# KiCad board TKL.kicad_pcb
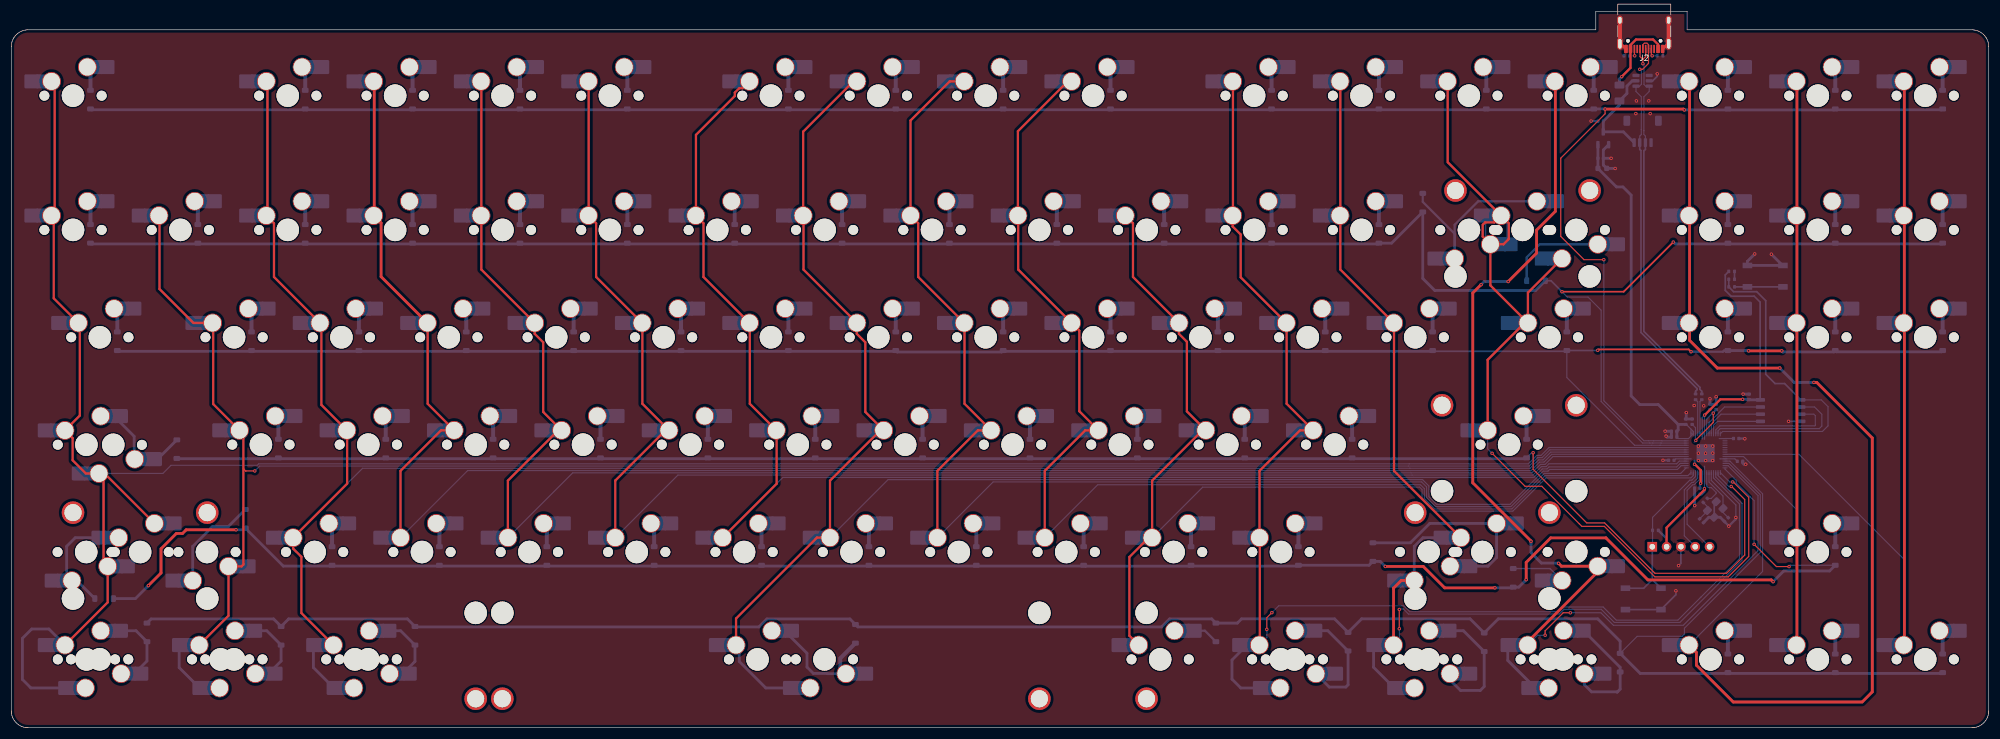
[diagram p0: board, top side]
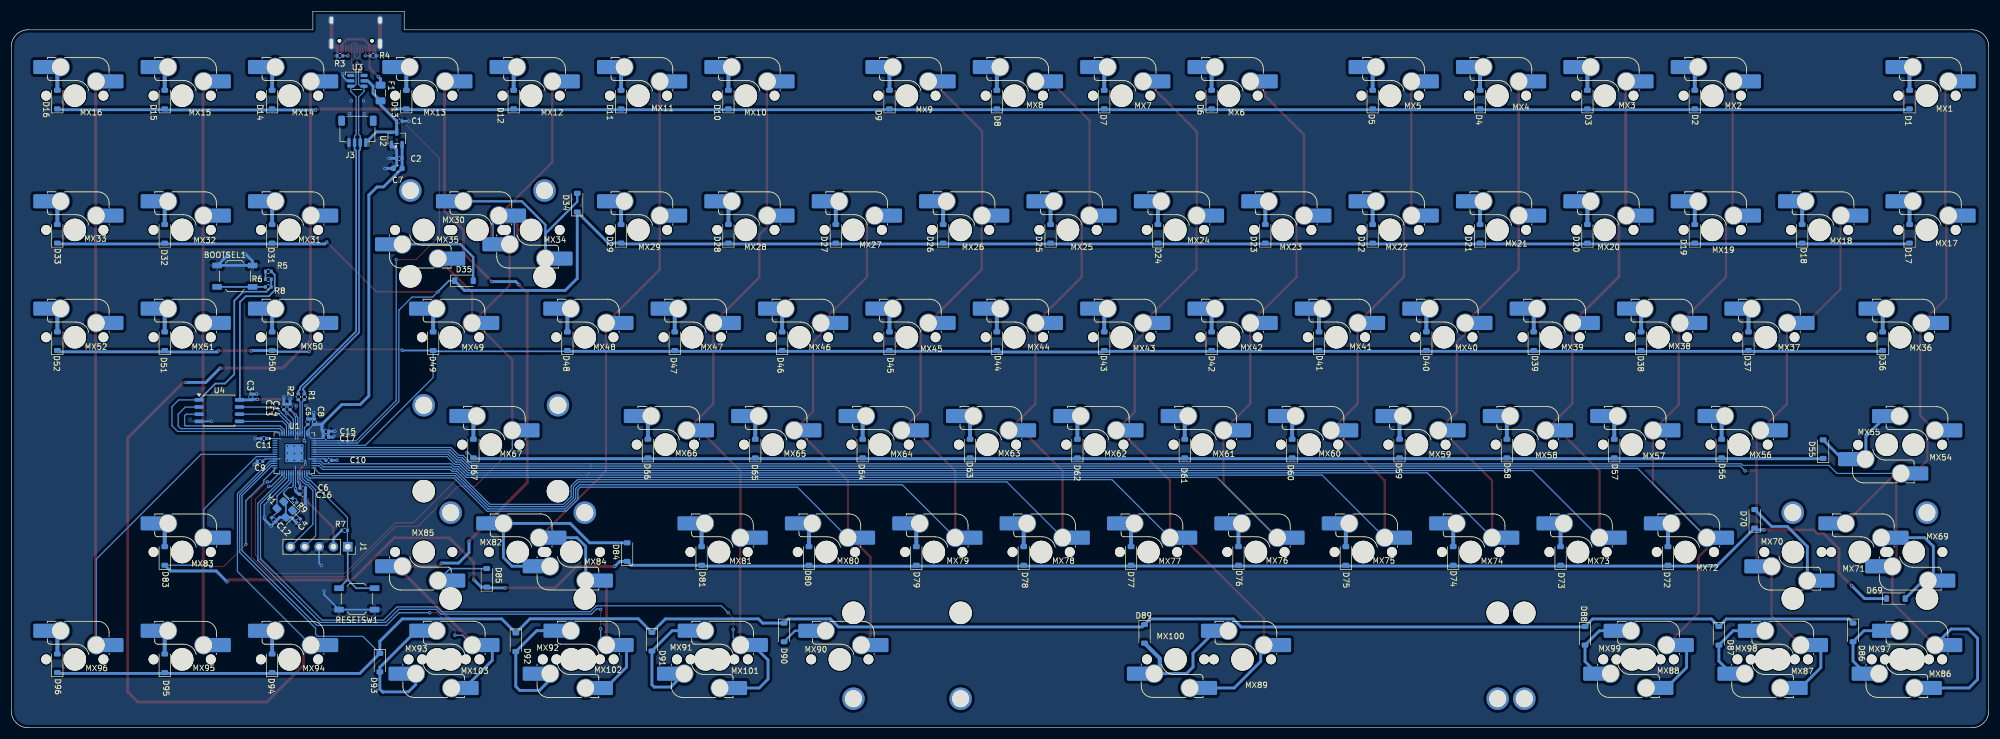
[diagram p1: board, bottom side, seen from below]

Outline 350.84 x 127.11 mm; copper layers: Top, Bottom. Coordinates in mm from the lower left corner of the outline.
Outline path: 0,120.83 0,120.9 0.01,121.05 0.02,121.2 0.05,121.35 0.08,121.5 0.12,121.65 0.16,121.8 0.21,121.94 0.27,122.08 0.34,122.21 0.41,122.35 0.49,122.48 0.58,122.6 0.67,122.72 0.77,122.84 0.88,122.95 0.99,123.05 1.1,123.15 1.22,123.24 1.35,123.33 1.48,123.41 1.61,123.48 1.75,123.55 1.89,123.61 2.03,123.66 2.17,123.71 2.32,123.75 2.47,123.78 2.62,123.8 2.77,123.82 2.92,123.82 3,123.83 281.12,123.83 281.12,127.11 297.32,127.11 297.32,123.83 347.84,123.83 347.91,123.82 348.07,123.82 348.22,123.8 348.37,123.78 348.52,123.75 348.66,123.71 348.81,123.66 348.95,123.61 349.09,123.55 349.23,123.48 349.36,123.41 349.49,123.33 349.61,123.24 349.73,123.15 349.85,123.05 349.96,122.95 350.06,122.84 350.16,122.72 350.26,122.6 350.34,122.48 350.42,122.35 350.5,122.21 350.56,122.08 350.62,121.94 350.68,121.8 350.72,121.65 350.76,121.5 350.79,121.35 350.81,121.2 350.83,121.05 350.84,120.9 350.84,120.83 350.84,3 350.84,2.92 350.83,2.77 350.81,2.62 350.79,2.47 350.76,2.32 350.72,2.17 350.68,2.03 350.62,1.89 350.56,1.75 350.5,1.61 350.42,1.48 350.34,1.35 350.26,1.22 350.16,1.1 350.06,0.99 349.96,0.88 349.85,0.77 349.73,0.67 349.61,0.58 349.49,0.49 349.36,0.41 349.23,0.34 349.09,0.27 348.95,0.21 348.81,0.16 348.66,0.12 348.52,0.08 348.37,0.05 348.22,0.02 348.07,0.01 347.91,0 347.84,0 3,0 2.92,0 2.77,0.01 2.62,0.02 2.47,0.05 2.32,0.08 2.17,0.12 2.03,0.16 1.89,0.21 1.75,0.27 1.61,0.34 1.48,0.41 1.35,0.49 1.22,0.58 1.1,0.67 0.99,0.77 0.88,0.88 0.77,0.99 0.67,1.1 0.58,1.22 0.49,1.35 0.41,1.48 0.34,1.61 0.27,1.75 0.21,1.89 0.16,2.03 0.12,2.17 0.08,2.32 0.05,2.47 0.02,2.62 0.01,2.77 0,2.92 0,3 0,120.83
Stack: Top 0.035mm / dielectric 1.51mm FR4 er 4.5 / Bottom 0.035mm

## Placement (name value [footprint] x y rotation side)
BOOTSEL1  SW_Push  [SW_SPST_TL3342]  311.18 80.11 180 bottom
C1  1u  [C_0402_1005Metric]  281.98 107.62 180 bottom
C2  1u  [C_0402_1005Metric]  281.98 101.03 0 bottom
C3  100n  [C_0402_1005Metric]  308.34 58.71 90 bottom
C4  22p  [C_0402_1005Metric]  299.89 36.73 315 bottom
C5  1u  [C_0402_1005Metric]  298.23 54.29 90 bottom
C6  100n  [C_0402_1005Metric]  299.12 42.51 180 bottom
C7  10u  [C_0603_1608Metric]  282.28 99.24 0 bottom
C8  1u  [C_0402_1005Metric]  297.05 54.29 90 bottom
C9  100n  [C_0402_1005Metric]  306.71 47.27 0 bottom
C10  100n  [C_0402_1005Metric]  294.52 47.45 180 bottom
C11  100n  [C_0402_1005Metric]  306.02 51.31 0 bottom
C12  22p  [C_0402_1005Metric]  304.28 36.93 225 bottom
C13  100n  [C_0402_1005Metric]  302.47 56.91 90 bottom
C14  100n  [C_0402_1005Metric]  301.38 56.91 90 bottom
C15  100n  [C_0402_1005Metric]  295.02 52.59 180 bottom
C16  100n  [C_0402_1005Metric]  299.14 41.43 180 bottom
C17  100n  [C_0402_1005Metric]  295.02 51.56 180 bottom
D1  D  [D_SOD-123]  14.05 111.44 90 bottom
D2  D  [D_SOD-123]  52.15 111.44 90 bottom
D3  D  [D_SOD-123]  71.2 111.44 90 bottom
D4  D  [D_SOD-123]  90.25 111.44 90 bottom
D5  D  [D_SOD-123]  109.3 111.44 90 bottom
D6  D  [D_SOD-123]  137.88 111.44 90 bottom
D7  D  [D_SOD-123]  156.93 111.44 90 bottom
D8  D  [D_SOD-123]  175.97 111.44 90 bottom
D9  D  [D_SOD-123]  195.03 111.44 90 bottom
D10  D  [D_SOD-123]  223.6 111.44 90 bottom
D11  D  [D_SOD-123]  242.65 111.44 90 bottom
D12  D  [D_SOD-123]  261.7 111.44 90 bottom
D13  D  [D_SOD-123]  280.75 111.44 90 bottom
D14  D  [D_SOD-123]  304.56 111.44 90 bottom
D15  D  [D_SOD-123]  323.61 111.44 90 bottom
D16  D  [D_SOD-123]  342.66 111.44 90 bottom
D17  D  [D_SOD-123]  14.05 87.63 90 bottom
D18  D  [D_SOD-123]  33.1 87.63 90 bottom
D19  D  [D_SOD-123]  52.15 87.63 90 bottom
D20  D  [D_SOD-123]  71.2 87.63 90 bottom
D21  D  [D_SOD-123]  90.25 87.63 90 bottom
D22  D  [D_SOD-123]  109.3 87.63 90 bottom
D23  D  [D_SOD-123]  128.35 87.63 90 bottom
D24  D  [D_SOD-123]  147.4 87.63 90 bottom
D25  D  [D_SOD-123]  166.45 87.63 90 bottom
D26  D  [D_SOD-123]  185.5 87.63 90 bottom
D27  D  [D_SOD-123]  204.55 87.63 90 bottom
D28  D  [D_SOD-123]  223.6 87.63 90 bottom
D29  D  [D_SOD-123]  242.65 87.63 90 bottom
D31  D  [D_SOD-123]  304.56 87.63 90 bottom
D32  D  [D_SOD-123]  323.61 87.63 90 bottom
D33  D  [D_SOD-123]  342.66 87.63 90 bottom
D34  D  [D_SOD-123]  250.43 93.16 90 bottom
D35  D  [D_SOD-123]  270.52 79.31 180 bottom
D36  D  [D_SOD-123]  18.81 68.58 90 bottom
D37  D  [D_SOD-123]  42.62 68.58 90 bottom
D38  D  [D_SOD-123]  61.67 68.58 90 bottom
D39  D  [D_SOD-123]  80.72 68.58 90 bottom
D40  D  [D_SOD-123]  99.78 68.58 90 bottom
D41  D  [D_SOD-123]  118.82 68.58 90 bottom
D42  D  [D_SOD-123]  137.88 68.58 90 bottom
D43  D  [D_SOD-123]  156.93 68.58 90 bottom
D44  D  [D_SOD-123]  175.97 68.58 90 bottom
D45  D  [D_SOD-123]  195.03 68.58 90 bottom
D46  D  [D_SOD-123]  214.07 68.58 90 bottom
D47  D  [D_SOD-123]  233.12 68.58 90 bottom
D48  D  [D_SOD-123]  252.18 68.58 90 bottom
D49  D  [D_SOD-123]  275.99 68.58 90 bottom
D50  D  [D_SOD-123]  304.56 68.58 90 bottom
D51  D  [D_SOD-123]  323.61 68.58 90 bottom
D52  D  [D_SOD-123]  342.66 68.58 90 bottom
D55  D  [D_SOD-123]  29.38 49.43 90 bottom
D56  D  [D_SOD-123]  47.39 49.53 90 bottom
D57  D  [D_SOD-123]  66.44 49.53 90 bottom
D58  D  [D_SOD-123]  85.49 49.53 90 bottom
D59  D  [D_SOD-123]  104.54 49.53 90 bottom
D60  D  [D_SOD-123]  123.59 49.53 90 bottom
D61  D  [D_SOD-123]  142.64 49.53 90 bottom
D62  D  [D_SOD-123]  161.69 49.53 90 bottom
D63  D  [D_SOD-123]  180.74 49.53 90 bottom
D64  D  [D_SOD-123]  199.79 49.53 90 bottom
D65  D  [D_SOD-123]  218.84 49.53 90 bottom
D66  D  [D_SOD-123]  237.89 49.53 90 bottom
D67  D  [D_SOD-123]  268.84 49.53 90 bottom
D69  D  [D_SOD-123]  16.48 22.91 180 bottom
D70  D  [D_SOD-123]  41.52 37.06 90 bottom
D72  D  [D_SOD-123]  56.91 30.48 90 bottom
D73  D  [D_SOD-123]  75.96 30.48 90 bottom
D74  D  [D_SOD-123]  95.01 30.48 90 bottom
D75  D  [D_SOD-123]  114.06 30.48 90 bottom
D76  D  [D_SOD-123]  133.11 30.48 90 bottom
D77  D  [D_SOD-123]  152.16 30.48 90 bottom
D78  D  [D_SOD-123]  171.21 30.48 90 bottom
D79  D  [D_SOD-123]  190.26 30.48 90 bottom
D80  D  [D_SOD-123]  209.31 30.48 90 bottom
D81  D  [D_SOD-123]  228.36 30.48 90 bottom
D83  D  [D_SOD-123]  323.61 30.48 90 bottom
D84  D  [D_SOD-123]  241.57 31.16 90 bottom
D85  D  [D_SOD-123]  266.48 26.59 90 bottom
D86  D  [D_SOD-123]  24.08 16.91 270 bottom
D87  D  [D_SOD-123]  47.88 16.31 270 bottom
D88  D  [D_SOD-123]  71.62 16.31 270 bottom
D89  D  [D_SOD-123]  149.78 16.66 270 bottom
D90  D  [D_SOD-123]  213.72 16.91 270 bottom
D91  D  [D_SOD-123]  237.18 15.26 270 bottom
D92  D  [D_SOD-123]  261.32 15.16 270 bottom
D93  D  [D_SOD-123]  285.44 11.54 270 bottom
D94  D  [D_SOD-123]  304.56 11.43 90 bottom
D95  D  [D_SOD-123]  323.61 11.43 90 bottom
D96  D  [D_SOD-123]  342.66 11.43 90 bottom
F1  Fuse_Small  [Fuse_1206_3216Metric]  285.32 112.61 270 bottom
J1  Conn_01x05  [PinSocket_1x05_P2.54mm_Vertical]  291.15 32.11 270 bottom
J2  USB_C_Receptacle_USB2.0_16P  [USB_C_Receptacle_HRO_TYPE-C-31-M-12]  289.73 124.47 180 top
J3  Conn_01x04  [JST_SH_SM04B-SRSS-TB_1x04-1MP_P1.00mm_Horizontal]  289.43 105.81 0 bottom
MX1  MX_SW_HS  [SW_MX_HS_CPG151101S11_1u]  10.95 112.14 180 bottom
MX2  MX_SW_HS  [SW_MX_HS_CPG151101S11_1u]  49.06 112.14 180 bottom
MX3  MX_SW_HS  [SW_MX_HS_CPG151101S11_1u]  68.11 112.14 180 bottom
MX4  MX_SW_HS  [SW_MX_HS_CPG151101S11_1u]  87.16 112.14 180 bottom
MX5  MX_SW_HS  [SW_MX_HS_CPG151101S11_1u]  106.2 112.14 180 bottom
MX6  MX_SW_HS  [SW_MX_HS_CPG151101S11_1u]  134.78 112.14 180 bottom
MX7  MX_SW_HS  [SW_MX_HS_CPG151101S11_1u]  153.83 112.14 180 bottom
MX8  MX_SW_HS  [SW_MX_HS_CPG151101S11_1u]  172.88 112.14 180 bottom
MX9  MX_SW_HS  [SW_MX_HS_CPG151101S11_1u]  191.93 112.14 180 bottom
MX10  MX_SW_HS  [SW_MX_HS_CPG151101S11_1u]  220.5 112.14 180 bottom
MX11  MX_SW_HS  [SW_MX_HS_CPG151101S11_1u]  239.56 112.14 180 bottom
MX12  MX_SW_HS  [SW_MX_HS_CPG151101S11_1u]  258.61 112.14 180 bottom
MX13  MX_SW_HS  [SW_MX_HS_CPG151101S11_1u]  277.65 112.14 180 bottom
MX14  MX_SW_HS  [SW_MX_HS_CPG151101S11_1u]  301.47 112.14 180 bottom
MX15  MX_SW_HS  [SW_MX_HS_CPG151101S11_1u]  320.52 112.14 180 bottom
MX16  MX_SW_HS  [SW_MX_HS_CPG151101S11_1u]  339.57 112.14 180 bottom
MX17  MX_SW_HS  [SW_MX_HS_CPG151101S11_1u]  10.95 88.33 180 bottom
MX18  MX_SW_HS  [SW_MX_HS_CPG151101S11_1u]  30.01 88.33 180 bottom
MX19  MX_SW_HS  [SW_MX_HS_CPG151101S11_1u]  49.06 88.33 180 bottom
MX20  MX_SW_HS  [SW_MX_HS_CPG151101S11_1u]  68.11 88.33 180 bottom
MX21  MX_SW_HS  [SW_MX_HS_CPG151101S11_1u]  87.16 88.33 180 bottom
MX22  MX_SW_HS  [SW_MX_HS_CPG151101S11_1u]  106.2 88.33 180 bottom
MX23  MX_SW_HS  [SW_MX_HS_CPG151101S11_1u]  125.25 88.33 180 bottom
MX24  MX_SW_HS  [SW_MX_HS_CPG151101S11_1u]  144.31 88.33 180 bottom
MX25  MX_SW_HS  [SW_MX_HS_CPG151101S11_1u]  163.35 88.33 180 bottom
MX26  MX_SW_HS  [SW_MX_HS_CPG151101S11_1u]  182.41 88.33 180 bottom
MX27  MX_SW_HS  [SW_MX_HS_CPG151101S11_1u]  201.46 88.33 180 bottom
MX28  MX_SW_HS  [SW_MX_HS_CPG151101S11_1u]  220.5 88.33 180 bottom
MX29  MX_SW_HS  [SW_MX_HS_CPG151101S11_1u]  239.56 88.33 180 bottom
MX30  MX_SW_HS  [SW_MX_HS_CPG151101S11_1u]  268.13 88.33 180 bottom
MX31  MX_SW_HS  [SW_MX_HS_CPG151101S11_1u]  301.47 88.33 180 bottom
MX32  MX_SW_HS  [SW_MX_HS_CPG151101S11_1u]  320.52 88.33 180 bottom
MX33  MX_SW_HS  [SW_MX_HS_CPG151101S11_1u]  339.57 88.33 180 bottom
MX34  MX_SW_HS  [SW_MX_HS_CPG151101S11_1u]  258.62 88.31 0 bottom
MX35  MX_SW_HS  [SW_MX_HS_CPG151101S11_1u]  277.67 88.31 0 bottom
MX36  MX_SW_HS  [SW_MX_HS_CPG151101S11_1.5u]  15.72 69.28 180 bottom
MX37  MX_SW_HS  [SW_MX_HS_CPG151101S11_1u]  39.53 69.28 180 bottom
MX38  MX_SW_HS  [SW_MX_HS_CPG151101S11_1u]  58.58 69.28 180 bottom
MX39  MX_SW_HS  [SW_MX_HS_CPG151101S11_1u]  77.63 69.28 180 bottom
MX40  MX_SW_HS  [SW_MX_HS_CPG151101S11_1u]  96.68 69.28 180 bottom
MX41  MX_SW_HS  [SW_MX_HS_CPG151101S11_1u]  115.73 69.28 180 bottom
MX42  MX_SW_HS  [SW_MX_HS_CPG151101S11_1u]  134.78 69.28 180 bottom
MX43  MX_SW_HS  [SW_MX_HS_CPG151101S11_1u]  153.83 69.28 180 bottom
MX44  MX_SW_HS  [SW_MX_HS_CPG151101S11_1u]  172.88 69.28 180 bottom
MX45  MX_SW_HS  [SW_MX_HS_CPG151101S11_1u]  191.93 69.28 180 bottom
MX46  MX_SW_HS  [SW_MX_HS_CPG151101S11_1u]  210.98 69.28 180 bottom
MX47  MX_SW_HS  [SW_MX_HS_CPG151101S11_1u]  230.03 69.28 180 bottom
MX48  MX_SW_HS  [SW_MX_HS_CPG151101S11_1u]  249.08 69.28 180 bottom
MX49  MX_SW_HS  [SW_MX_HS_CPG151101S11_1.5u]  272.89 69.28 180 bottom
MX50  MX_SW_HS  [SW_MX_HS_CPG151101S11_1u]  301.47 69.28 180 bottom
MX51  MX_SW_HS  [SW_MX_HS_CPG151101S11_1u]  320.52 69.28 180 bottom
MX52  MX_SW_HS  [SW_MX_HS_CPG151101S11_1u]  339.57 69.28 180 bottom
MX54  MX_SW_HS  [SW_MX_HS_CPG151101S11_1.75u_STP_1.25]  13.33 50.21 180 bottom
MX55  MX_SW_HS  [SW_MX_HS_CPG151101S11_1.75u]  18.09 50.19 0 bottom
MX56  MX_SW_HS  [SW_MX_HS_CPG151101S11_1u]  44.29 50.23 180 bottom
MX57  MX_SW_HS  [SW_MX_HS_CPG151101S11_1u]  63.34 50.23 180 bottom
MX58  MX_SW_HS  [SW_MX_HS_CPG151101S11_1u]  82.39 50.23 180 bottom
MX59  MX_SW_HS  [SW_MX_HS_CPG151101S11_1u]  101.44 50.23 180 bottom
MX60  MX_SW_HS  [SW_MX_HS_CPG151101S11_1u]  120.49 50.23 180 bottom
MX61  MX_SW_HS  [SW_MX_HS_CPG151101S11_1u]  139.54 50.23 180 bottom
MX62  MX_SW_HS  [SW_MX_HS_CPG151101S11_1u]  158.59 50.23 180 bottom
MX63  MX_SW_HS  [SW_MX_HS_CPG151101S11_1u]  177.64 50.23 180 bottom
MX64  MX_SW_HS  [SW_MX_HS_CPG151101S11_1u]  196.69 50.23 180 bottom
MX65  MX_SW_HS  [SW_MX_HS_CPG151101S11_1u]  215.74 50.23 180 bottom
MX66  MX_SW_HS  [SW_MX_HS_CPG151101S11_1u]  234.79 50.23 180 bottom
MX67  MX_SW_HS  [SW_MX_HS_CPG151101S11_1u]  265.75 50.23 180 bottom
MX69  MX_SW_HS  [SW_MX_HS_CPG151101S11_1.25u]  13.29 31.18 0 bottom
MX70  MX_SW_HS  [SW_MX_HS_CPG151101S11_1u]  34.73 31.18 0 bottom
MX71  MX_SW_HS  [SW_MX_HS_CPG151101S11_1u]  22.86 31.18 180 bottom
MX72  MX_SW_HS  [SW_MX_HS_CPG151101S11_1u]  53.82 31.18 180 bottom
MX73  MX_SW_HS  [SW_MX_HS_CPG151101S11_1u]  72.87 31.18 180 bottom
MX74  MX_SW_HS  [SW_MX_HS_CPG151101S11_1u]  91.92 31.18 180 bottom
MX75  MX_SW_HS  [SW_MX_HS_CPG151101S11_1u]  110.97 31.18 180 bottom
MX76  MX_SW_HS  [SW_MX_HS_CPG151101S11_1u]  130.02 31.18 180 bottom
MX77  MX_SW_HS  [SW_MX_HS_CPG151101S11_1u]  149.07 31.18 180 bottom
MX78  MX_SW_HS  [SW_MX_HS_CPG151101S11_1u]  168.12 31.18 180 bottom
MX79  MX_SW_HS  [SW_MX_HS_CPG151101S11_1u]  187.17 31.18 180 bottom
MX80  MX_SW_HS  [SW_MX_HS_CPG151101S11_1u]  206.22 31.18 180 bottom
MX81  MX_SW_HS  [SW_MX_HS_CPG151101S11_1u]  225.27 31.18 180 bottom
MX82  MX_SW_HS  [SW_MX_HS_CPG151101S11_1u]  260.99 31.18 180 bottom
MX83  MX_SW_HS  [SW_MX_HS_CPG151101S11_1u]  320.52 31.18 180 bottom
MX84  MX_SW_HS  [SW_MX_HS_CPG151101S11_1.75u]  251.46 31.19 0 bottom
MX85  MX_SW_HS  [SW_MX_HS_CPG151101S11_1u]  277.66 31.19 0 bottom
MX86  MX_SW_HS  [SW_MX_HS_CPG151101S11_1.25u]  13.34 12.13 180 bottom
MX87  MX_SW_HS  [SW_MX_HS_CPG151101S11_1.25u]  37.15 12.13 180 bottom
MX88  MX_SW_HS  [SW_MX_HS_CPG151101S11_1.25u]  60.96 12.13 180 bottom
MX89  MX_SW_HS  [SW_MX_HS_CPG151101S11_1u]  132.4 12.13 180 bottom
MX90  MX_SW_HS  [SW_MX_HS_CPG151101S11_1.25u]  203.84 12.13 180 bottom
MX91  MX_SW_HS  [SW_MX_HS_CPG151101S11_1.25u]  227.65 12.13 0 bottom
MX92  MX_SW_HS  [SW_MX_HS_CPG151101S11_1.25u]  251.46 12.13 0 bottom
MX93  MX_SW_HS  [SW_MX_HS_CPG151101S11_1.25u]  275.27 12.13 0 bottom
MX94  MX_SW_HS  [SW_MX_HS_CPG151101S11_1u]  301.47 12.13 180 bottom
MX95  MX_SW_HS  [SW_MX_HS_CPG151101S11_1u]  320.52 12.13 180 bottom
MX96  MX_SW_HS  [SW_MX_HS_CPG151101S11_1u]  339.57 12.13 180 bottom
MX97  MX_SW_HS  [SW_MX_HS_CPG151101S11_1.5u]  15.68 12.13 0 bottom
MX98  MX_SW_HS  [SW_MX_HS_CPG151101S11_1u]  39.5 12.13 0 bottom
MX99  MX_SW_HS  [SW_MX_HS_CPG151101S11_1.5u]  63.31 12.13 0 bottom
MX100  MX_SW_HS  [SW_MX_HS_CPG151101S11_1u]  144.27 12.13 0 bottom
MX101  MX_SW_HS  [SW_MX_HS_CPG151101S11_1.5u]  225.24 12.13 180 bottom
MX102  MX_SW_HS  [SW_MX_HS_CPG151101S11_1u]  249.05 12.13 180 bottom
MX103  MX_SW_HS  [SW_MX_HS_CPG151101S11_1.5u]  272.86 12.13 180 bottom
R1  27  [R_0402_1005Metric]  298.82 58.71 270 bottom
R2  27  [R_0402_1005Metric]  299.93 58.71 270 bottom
R3  5k1  [R_0402_1005Metric]  292.52 119.21 0 bottom
R4  5k1  [R_0402_1005Metric]  286.62 119.21 180 bottom
R5  5k1  [R_0402_1005Metric]  305.23 80.96 180 bottom
R6  5k1  [R_0402_1005Metric]  305.23 79.56 0 bottom
R7  5k1  [R_0402_1005Metric]  291.7 35.02 0 bottom
R8  1k  [R_0402_1005Metric]  305.23 78.21 180 bottom
R9  1k  [R_0402_1005Metric]  300.55 40.33 225 bottom
RESETSW1  SW_Push  [SW_SPST_TL3342]  289.54 22.85 0 bottom
S1  MX_stab  [STAB_MX_P_2.25u]  265.75 50.23 0 top
S2  MX_stab  [STAB_MX_P_6.25u]  132.4 12.13 180 top
S3  MX_stab  [STAB_MX_P_7u]  144.27 12.13 180 top
S4  MX_stab  [STAB_MX_P_2.75u]  260.99 31.18 0 top
S5  MX_stab  [STAB_MX_P_2.25u]  22.86 31.18 0 top
S6  MX_stab  [STAB_MX_P_2u]  268.13 88.33 0 top
U1  RP2040  [QFN-56-1EP_7x7mm_P0.4mm_EP3.2x3.2mm]  300.61 48.7 180 bottom
U2  XC6206PxxxMR  [SOT-23-3]  282.45 104.58 90 bottom
U3  SRV05-4  [SOT-23-6-routable]  289.43 114.77 180 bottom
U4  W25Q128JVS  [SOIC-8_5.3x5.3mm_P1.27mm]  313.93 56.26 180 bottom
Y1  Crystal_GND24  [Crystal_SMD_3225-4Pin_3.2x2.5mm]  302.31 38.72 45 bottom

## Library data of the parts
BOOTSEL1 RESETSW1 = -: Description: Push button switch, generic, two pins
C1-C17 = -: Description: Unpolarized capacitor, small symbol; KiLib_Generator: SMD_2terminal_chip_molded; ki_fp_filters: C_*
D1-D29 D31-D52 D55-D67 D69 D70 D72-D81 D83-D96 = -: Description: Diode; Sim.Pins: 1=K 2=A; ki_fp_filters: TO-???* *_Diode_* *SingleDiode* D_*
F1 = -: Description: Fuse, small symbol; KiLib_Generator: SMD_2terminal_chip_molded; ki_fp_filters: *Fuse*
J1 = -: Description: Generic connector, single row, 01x05, script generated (kicad-library-utils/schlib/autogen/connector/); KiLib_Generator: connector/pin_header_socket; ki_fp_filters: Connector*:*_1x??_*
J2 = -: Datasheet: https://www.usb.org/sites/default/files/documents/usb_type-c.zip; Description: USB 2.0-only 16P Type-C Receptacle connector; ki_fp_filters: USB*C*Receptacle*
J3 = -: Description: Generic connector, single row, 01x04, script generated (kicad-library-utils/schlib/autogen/connector/); KiLib_Generator: connector/SMD_single_row_plus_mounting_pad; ki_fp_filters: Connector*:*_1x??_*
MX1-MX52 MX54-MX67 MX69-MX103 = -: Description: Push button switch, normally open, two pins, 45° tilted, Kailh CPG151101S11 for Cherry MX style switches
R1-R9 = -: Description: Resistor, small symbol; KiLib_Generator: SMD_2terminal_chip_molded; ki_fp_filters: R_*
S1-S6 = -: Description: Cherry MX-style stabilizer
U1 = -: Datasheet: https://datasheets.raspberrypi.com/rp2040/rp2040-datasheet.pdf; Description: A microcontroller by Raspberry Pi, Dual ARM Cortex-M0+, 133MHz, no flash, 264KB SRAM, 8 PIO state machines, VQFN-56; KiLib_Generator: package/no_lead; ki_fp_filters: *QFN*7x7mm?P0.4mm?EP3.2x3.2mm*
U2 = -: Datasheet: https://www.torexsemi.com/file/xc6206/XC6206.pdf; Description: Positive 60-250mA Low Dropout Regulator, Fixed Output, SOT-23; KiLib_Generator: package/gullwing; ki_fp_filters: SOT?23?3*
U3 = -: Datasheet: http://www.onsemi.com/pub/Collateral/SRV05-4-D.PDF; Description: ESD Protection Diodes with Low Clamping Voltage, SOT-23-6; ki_fp_filters: SOT?23*
U4 = -: Datasheet: https://www.winbond.com/resource-files/w25q128jv_dtr%20revc%2003272018%20plus.pdf; Description: 128Mbit / 16MiB Serial Flash Memory, Standard/Dual/Quad SPI, 2.7-3.6V, SOIC-8; KiLib_Generator: package/gullwing; ki_fp_filters: *SOIC*5.3x5.3mm*P1.27mm*
Y1 = -: Description: Four pin crystal, GND on pins 2 and 4; KiLib_Generator: crystal_resonator_oscillator; ki_fp_filters: Crystal*

## Footprints (pads in the part's own frame, mm; a bottom-side part is the same pattern mirrored in y, then rotated)
C_0402_1005Metric
  rrect 0.56x0.62 smd: 1(-0.48,0) 2(0.48,0)
C_0603_1608Metric
  rrect 0.9x0.95 smd: 1(-0.775,0) 2(0.775,0)
Crystal_SMD_3225-4Pin_3.2x2.5mm
  rrect 1.4x1.2 smd: 1(-1.1,-0.85) 2(1.1,-0.85) 3(1.1,0.85) 4(-1.1,0.85)
D_SOD-123
  rrect 0.9x1.2 smd: 1(-1.65,0) 2(1.65,0)
Fuse_1206_3216Metric
  rrect 1.25x1.75 smd: 1(-1.4,0) 2(1.4,0)
JST_SH_SM04B-SRSS-TB_1x04-1MP_P1.00mm_Horizontal
  rrect 0.6x1.55 smd: 1(-1.5,2) 2(-0.5,2) 3(0.5,2) 4(1.5,2)
  rrect 1.2x1.8 smd: MP(-2.8,-1.875) MP(2.8,-1.875)
PinSocket_1x05_P2.54mm_Vertical
  rect 1.7x1.7 hole 1: 1(0,0)
  round 1.7 hole 1: 2(0,-2.54) 3(0,-5.08) 4(0,-7.62) 5(0,-10.16)
QFN-56-1EP_7x7mm_P0.4mm_EP3.2x3.2mm
  rrect 1.29x1.29 smd: (-0.8,-0.8) (-0.8,0.8) (0.8,-0.8) (0.8,0.8)
  rrect 0.875x0.2 smd: 1(-3.438,2.6) 2(-3.438,2.2) 3(-3.438,1.8) 4(-3.438,1.4) 5(-3.438,1) 6(-3.438,0.6) 7(-3.438,0.2) 8(-3.438,-0.2) 9(-3.438,-0.6) 10(-3.438,-1) 11(-3.438,-1.4) 12(-3.438,-1.8) 13(-3.438,-2.2) 14(-3.438,-2.6) 29(3.438,-2.6) 30(3.438,-2.2) 31(3.438,-1.8) 32(3.438,-1.4) 33(3.438,-1) 34(3.438,-0.6) 35(3.438,-0.2) 36(3.438,0.2) 37(3.438,0.6) 38(3.438,1) 39(3.438,1.4) 40(3.438,1.8) 41(3.438,2.2) 42(3.438,2.6)
  rrect 0.2x0.875 smd: 15(-2.6,-3.438) 16(-2.2,-3.438) 17(-1.8,-3.438) 18(-1.4,-3.438) 19(-1,-3.438) 20(-0.6,-3.438) 21(-0.2,-3.438) 22(0.2,-3.438) 23(0.6,-3.438) 24(1,-3.438) 25(1.4,-3.438) 26(1.8,-3.438) 27(2.2,-3.438) 28(2.6,-3.438) 43(2.6,3.438) 44(2.2,3.438) 45(1.8,3.438) 46(1.4,3.438) 47(1,3.438) 48(0.6,3.438) 49(0.2,3.438) 50(-0.2,3.438) 51(-0.6,3.438) 52(-1,3.438) 53(-1.4,3.438) 54(-1.8,3.438) 55(-2.2,3.438) 56(-2.6,3.438)
  rect 3.2x3.2 smd: 57(0,0)
R_0402_1005Metric
  rrect 0.54x0.64 smd: 1(-0.51,0) 2(0.51,0)
SOIC-8_5.3x5.3mm_P1.27mm
  rrect 1.625x0.65 smd: 1(-3.587,1.905) 2(-3.587,0.635) 3(-3.587,-0.635) 4(-3.587,-1.905) 5(3.587,-1.905) 6(3.587,-0.635) 7(3.587,0.635) 8(3.587,1.905)
SOT-23-3
  rrect 1.325x0.6 smd: 1(-1.137,0.95) 2(-1.137,-0.95) 3(1.137,0)
SOT-23-6-routable
  rrect 1.25x0.6 smd: 1(-1.175,0.95) 2(-1.175,0) 3(-1.175,-0.95) 4(1.175,-0.95) 5(1.175,0) 6(1.175,0.95)
STAB_MX_P_2.25u
  round 4 hole 3.048: (-11.906,6.985) (11.906,6.985)
  round 3.988 hole 3.988 unplated: (-11.906,-8.255) (11.906,-8.255)
STAB_MX_P_2.75u
  round 4 hole 3.048: (-11.906,6.985) (11.906,6.985)
  round 3.988 hole 3.988 unplated: (-11.906,-8.255) (11.906,-8.255)
STAB_MX_P_2u
  round 4 hole 3.048: (-11.906,6.985) (11.906,6.985)
  round 3.988 hole 3.988 unplated: (-11.906,-8.255) (11.906,-8.255)
STAB_MX_P_6.25u
  round 4 hole 3.048: (-50.006,6.985) (50.006,6.985)
  round 3.988 hole 3.988 unplated: (-50.006,-8.255) (50.006,-8.255)
STAB_MX_P_7u
  round 4 hole 3.048: (-57.15,6.985) (57.15,6.985)
  round 3.988 hole 3.988 unplated: (-57.15,-8.255) (57.15,-8.255)
SW_MX_HS_CPG151101S11_1.5u
  round 1.75 hole 1.75 unplated: (-5.08,0) (5.08,0)
  round 3.988 hole 3.988 unplated: (0,0)
  round 3.3 hole 3: 1(3.81,2.54) 2(-2.54,5.08)
  rect 1.65x2.5 smd: 1(5.635,2.54) 2(-4.34,5.08)
  rrect 2.55x2.5 smd: 1(7.36,2.54) 2(-6.09,5.08)
SW_MX_HS_CPG151101S11_1.25u
  round 1.75 hole 1.75 unplated: (-5.08,0) (5.08,0)
  round 3.988 hole 3.988 unplated: (0,0)
  round 3.3 hole 3: 1(3.81,2.54) 2(-2.54,5.08)
  rect 1.65x2.5 smd: 1(5.635,2.54) 2(-4.34,5.08)
  rrect 2.55x2.5 smd: 1(7.36,2.54) 2(-6.09,5.08)
SW_MX_HS_CPG151101S11_1.75u
  round 1.75 hole 1.75 unplated: (-5.08,0) (5.08,0)
  round 3.988 hole 3.988 unplated: (0,0)
  round 3.3 hole 3: 1(3.81,2.54) 2(-2.54,5.08)
  rect 1.65x2.5 smd: 1(5.635,2.54) 2(-4.34,5.08)
  rrect 2.55x2.5 smd: 1(7.36,2.54) 2(-6.09,5.08)
SW_MX_HS_CPG151101S11_1.75u_STP_1.25
  round 1.75 hole 1.75 unplated: (-5.08,0) (5.08,0)
  round 3.988 hole 3.988 unplated: (0,0)
  round 3.3 hole 3: 1(3.81,2.54) 2(-2.54,5.08)
  rect 1.65x2.5 smd: 1(5.635,2.54) 2(-4.34,5.08)
  rrect 2.55x2.5 smd: 1(7.36,2.54) 2(-6.09,5.08)
SW_MX_HS_CPG151101S11_1u
  round 1.75 hole 1.75 unplated: (-5.08,0) (5.08,0)
  round 3.988 hole 3.988 unplated: (0,0)
  round 3.3 hole 3: 1(3.81,2.54) 2(-2.54,5.08)
  rect 1.65x2.5 smd: 1(5.635,2.54) 2(-4.34,5.08)
  rrect 2.55x2.5 smd: 1(7.36,2.54) 2(-6.09,5.08)
SW_SPST_TL3342
  rect 1.7x1 smd: 1(-3.15,1.9) 1(3.15,1.9) 2(-3.15,-1.9) 2(3.15,-1.9)
USB_C_Receptacle_HRO_TYPE-C-31-M-12
  round 0.65 hole 0.65 unplated: (-2.89,2.6) (2.89,2.6)
  rrect 0.6x1.45 smd: A1(-3.25,4.045) A4(-2.45,4.045) A9(2.45,4.045) A12(3.25,4.045) B1(3.25,4.045) B4(2.45,4.045) B9(-2.45,4.045) B12(-3.25,4.045)